# Altium PCB Board.PcbDoc (continued)
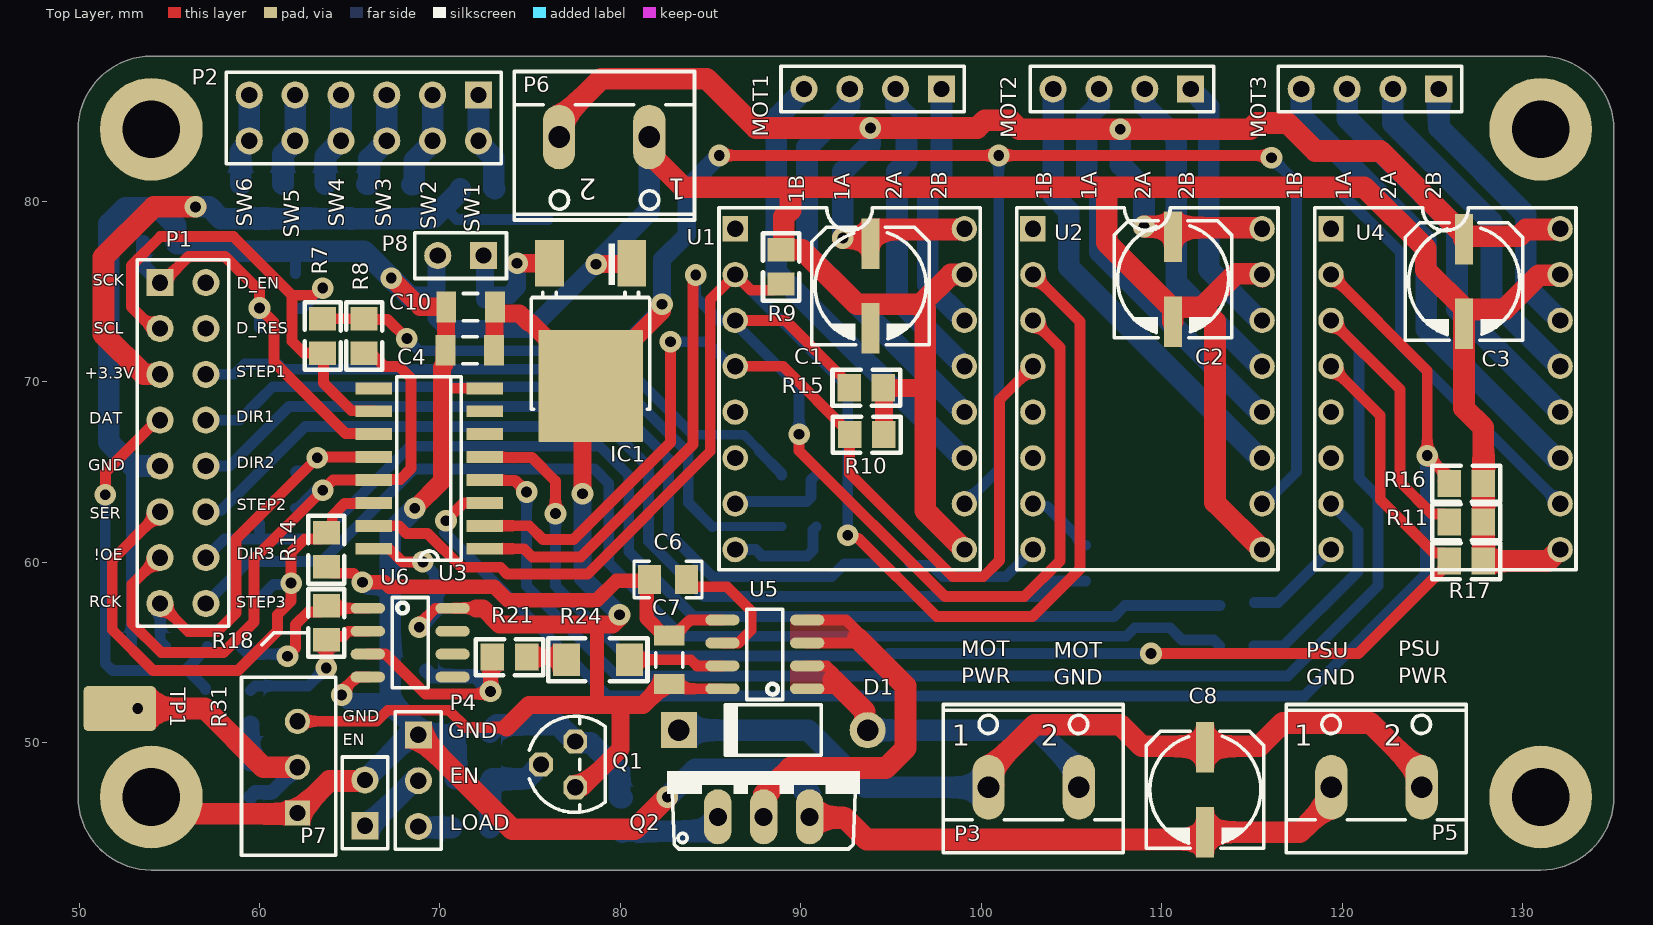
[diagram p0: Top Layer view]
## Part data (continued)
R5 R6 R25 R32 R33 R34 R35: library part Res, "Rectangular Thick Film Chip Resistor", Manufacturer=Yageo, Manufacturer_Part_Number=RC0805FR-071KL, CHIPIDIP-code=9000079486, ComponentLink1Description="Manufacturer Link", ComponentLink1URL=http://www.panasonic.com/industrial/components/resistive_products.htm, ComponentLink2Description=Datasheet, ComponentLink2URL=http://www.panasonic.com/industrial/components/pdf/AOA0000CE8.pdf, Note="If flow soldering, adjust pad width of PCB Footprint to 0.7 - 0.8 times the width of the resistor.", Part_Type=Resistor
R18 R23: library part Res, "Rectangular Thick Film Chip Resistor", Manufacturer=Yageo, Manufacturer_Part_Number=RC0805FR-07100KL, CHIPIDIP-code=9000079538, ComponentLink1Description="Manufacturer Link", ComponentLink1URL=http://www.panasonic.com/industrial/components/resistive_products.htm, ComponentLink2Description=Datasheet, ComponentLink2URL=http://www.panasonic.com/industrial/components/pdf/AOA0000CE8.pdf, Note="If flow soldering, adjust pad width of PCB Footprint to 0.7 - 0.8 times the width of the resistor.", Part_Type=Resistor
R19: library part Res, "Rectangular Thick Film Chip Resistor", Manufacturer=Yageo, Manufacturer_Part_Number=RC0805FR-07470RL, CHIPIDIP-code=9000079478, ComponentLink1Description="Manufacturer Link", ComponentLink1URL=http://www.panasonic.com/industrial/components/resistive_products.htm, ComponentLink2Description=Datasheet, ComponentLink2URL=http://www.panasonic.com/industrial/components/pdf/AOA0000CE8.pdf, Note="If flow soldering, adjust pad width of PCB Footprint to 0.7 - 0.8 times the width of the resistor.", Part_Type=Resistor
R20 R21: library part Res, "Rectangular Thick Film Chip Resistor", Manufacturer=Yageo, Manufacturer_Part_Number=RC0805FR-0730KL, CHIPIDIP-code=9000079525, ComponentLink1Description="Manufacturer Link", ComponentLink1URL=http://www.panasonic.com/industrial/components/resistive_products.htm, ComponentLink2Description=Datasheet, ComponentLink2URL=http://www.panasonic.com/industrial/components/pdf/AOA0000CE8.pdf, Note="If flow soldering, adjust pad width of PCB Footprint to 0.7 - 0.8 times the width of the resistor.", Part_Type=Resistor
R22 R26: library part Res, "Rectangular Thick Film Chip Resistor", Manufacturer=Yageo, Manufacturer_Part_Number=RC0805FR-07100RL, CHIPIDIP-code=9000079462, ComponentLink1Description="Manufacturer Link", ComponentLink1URL=http://www.panasonic.com/industrial/components/resistive_products.htm, ComponentLink2Description=Datasheet, ComponentLink2URL=http://www.panasonic.com/industrial/components/pdf/AOA0000CE8.pdf, Note="If flow soldering, adjust pad width of PCB Footprint to 0.7 - 0.8 times the width of the resistor.", Part_Type=Resistor
R24: library part Res, "Rectangular Thick Film Chip Resistor", Manufacturer=Yageo, Manufacturer_Part_Number=RC1206FR-07470RL, CHIPIDIP-code=9000079907, ComponentLink1Description="Manufacturer Link", ComponentLink1URL=http://www.panasonic.com/industrial/components/resistive_products.htm, ComponentLink2Description=Datasheet, ComponentLink2URL=http://www.panasonic.com/industrial/components/pdf/AOA0000CE8.pdf, Note="If flow soldering, adjust pad width of PCB Footprint to 0.7 - 0.8 times the width of the resistor.", Part_Type=Resistor
R28: library part Res, "Rectangular Thick Film Chip Resistor", Manufacturer=Yageo, Manufacturer_Part_Number=RC0805FR-07220RL, CHIPIDIP-code=9000079470, ComponentLink1Description="Manufacturer Link", ComponentLink1URL=http://www.panasonic.com/industrial/components/resistive_products.htm, ComponentLink2Description=Datasheet, ComponentLink2URL=http://www.panasonic.com/industrial/components/pdf/AOA0000CE8.pdf, Note="If flow soldering, adjust pad width of PCB Footprint to 0.7 - 0.8 times the width of the resistor.", Part_Type=Resistor
R31: library part RPot, "Potentiometer", Manufacturer=Bourns, Manufacturer_Part_Number=3296W-1-102LF, CHIPIDIP-code=4464, Part_Type=Potentiometer, Set Position=0.5
TP1: "Test Point", Manufacturer=n/a, ComponentLink1Description=Datasheet, ComponentLink1URL=http://na, Manufacturer_Part_Number=n/a, Part_Type=Mechanical, Status=Released
TP3 TP4 TP5 TP7 TP8 TP9 TP10 TP11 TP12 TP13 TP14 TP15 TP16 TP17: library part "Test Point", "Test Point", Manufacturer=n/a, ComponentLink1Description=Datasheet, ComponentLink1URL=http://na, Manufacturer_Part_Number=n/a, Part_Type=Mechanical, Status=Released
U1 U2 U4: "Stepper motor driver", Manufacturer=China, Manufacturer_Part_Number="LV7829 Module", CHIPIDIP-code=none, Component_Link=https://aliexpress.ru/item/32881945086.html?_ga=2.148448563.506267163.1640105170-654681520.1604340042&_gac=1.114864501.1639346332.Cj0KCQiA2NaNBhDvARIsAEw55hg0RpnmDiEVLwfBwV1DBwQRRzTZISLV43c0hEMg0tSMQHOqo776kiQaArGpEALw_wcB&sku_id=65626866361&spm=a2g39.orderlist.0.0.68c74aa6SGBVzg, ComponentLink1Description=Datasheet, ComponentLink1URL=http://tunmcdsvn.tun.st.com/Component_Datasheet_Library/Trunk/Diodes/STM_ESD_ESDA6V1BC6, Part_Type=Driver
U3: "8-bit shift register with 3-state output register", Manufacturer=TI, Manufacturer_Part_Number=SN74HC595D, CHIPIDIP-code=37776, ComponentLink1Description=Datasheet, ComponentLink1URL=http://tunmcdsvn.tun.st.com/Component_Datasheet_Library/Trunk/Diodes/STM_ESD_ESDA6V1BC6, Part_Type="Shift register"
U5: "Hall-Effect-Based Linear Current Sensor +-5A", Manufacturer=Allegro, Manufacturer_Part_Number=ACS712ELCTR-05B, CHIPIDIP-code=9000043254, ComponentLink1Description=Datasheet, ComponentLink1URL=http://tunmcdsvn.tun.st.com/Component_Datasheet_Library/Trunk/Diodes/STM_ESD_ESDA6V1BC6, Part_Type=Sensor
U6: library part "Op Amp", "FET Operational Amplifier", Manufacturer=TI, Manufacturer_Part_Number=LM358M/NOPB, CHIPIDIP-code=39253, ComponentLink1Description="Manufacturer Link", ComponentLink1URL=http://www.analog.com/, Part_Type=OpAmp

## Free pads (board coordinates)
  round 5.7 hole 3.2: 1(54,84) 2(131,84) 3(131,47) 4(54,47)

## Via types
v1: diameter 1.2, hole 0.6, Top Layer to Bottom Layer, tented both sides, 39 vias

## Nets (pads, with @x,y where several pads share a name; then routed paths per layer and width w, separated by ;. In a path a pad name is that pad's centre, name@x,y a point inside that pad or via, vN(x,y) a via of type N, cw(c..) or ccw(c..) an arc to the next point about the centre after c; other vN are vias at no path point)
1-1A: MOT1.3 U1.12 | length 22.5
  Bottom Layer w1.2: MOT1.3 92.71,85.36 90.34,82.99 90.34,77.035 99.049,68.326 U1.12
1-1B: MOT1.4 U1.11 | length 25.6
  Top Layer w1.2: MOT1.4@90.113,86.29 MOT1.4
  Bottom Layer w1.2: MOT1.4 90.17,86.152 88.64,84.622 88.64,76.079 98.933,65.786 U1.11
1-2A: MOT1.2 U1.13 | length 17.4
  Bottom Layer w1.2: MOT1.2 95.25,85.35 95.85,84.75 95.85,82.193 95.328,81.671 95.328,74.587 99.049,70.866 U1.13
1-2B: MOT1.1 U1.14 | length 13.4
  Bottom Layer w1.2: MOT1.1@97.79,85.598 97.79,81.153 97.028,80.391 97.028,75.427 99.049,73.406 U1.14
2-1A: MOT2.3 U2.12 | length 22.2
  Bottom Layer w1.2: MOT2.3 106.52,85.32 105.85,84.65 105.85,81.2 106.577,80.473 106.577,77.18 115.49,68.267 U2.12@115.502,68.267
2-1B: MOT2.4 U2.11 | length 25.3
  Bottom Layer w1.2: MOT2.4 103.98,80.33 104.85,79.46 104.85,76.368 115.49,65.727 U2.11@115.502,65.727
2-2A: MOT2.2 U2.13 | length 18.1
  Bottom Layer w1.2: MOT2.2 109.06,85.29 110.8,83.55 110.8,75.498 115.49,70.807 U2.13@115.502,70.807
2-2B: MOT2.1 U2.14 | length 14.5
  Bottom Layer w1.2: MOT2.1 112.6,85.233 112.6,76.238 115.49,73.347 U2.14@115.502,73.347
3-1A: MOT3.3 U4.12 | length 22.8
  Bottom Layer w1.2: MOT3.3 120.269,84.591 126.365,78.495 126.365,74.038 130.273,70.13 130.273,70.119 131.33,69.062 131.341,69.062 U4.12
3-1B: MOT3.4 U4.11 | length 26.5
  Bottom Layer w1.2: MOT3.4 117.729,84.727 124.665,77.791 124.665,72.936 131.815,65.786 U4.11
3-2A: MOT3.2 U4.13 | length 19.2
  Bottom Layer w1.2: MOT3.2 122.809,84.341 128.27,78.88 128.27,74.63 U4.13@132.056,70.844
3-2B: MOT3.1 U4.14 | length 15.6
  Bottom Layer w1.2: MOT3.1 125.349,84.101 130.175,79.275 130.175,75.308 130.273,75.21 130.273,75.199 131.33,74.142 131.341,74.142 U4.14
!OE: P1.13 R8.2 TP11.1 U3.13 | length 36.8
  Top Layer w0.6: P1.13@54.447,60.297 52.933,58.783 52.933,56.617 54.55,55 58,55 59.7,56.7 59.7,60.2 v1(63.5,64) 64.065,64.565 U3.13 66.357,64.595 67.795,64.595 68.4,65.2 68.4,70.2 67.744,70.856 66.918,70.856 66.174,71.6 R8.2
  Bottom Layer w0.6: TP11.1 62.108,63 63.032,63.923 63.423,63.923 v1(63.5,64)
+3.3: P1.5 R1.1 R2.1 R3.1 R4.1 R29.1 R30.1 TP14.1 | length 36.3
  Top Layer w1.2: P1.5 53.58,70.42 51.35,72.65 51.35,76.9 54.15,79.7 v1(56.45,79.7)
  Bottom Layer w0.6: 70.225,79.7 70.925,79 TP14.1
  Bottom Layer w1.2: v1(56.45,79.7) 57.2,79.7 57.85,79.05 R30.1 R29.1 R1.1 R2.1 65.963,79.038 68.412,79.038 R3.1 68.475,79.075 69.6,79.075 70.225,79.7 71.125,80.6 R4.1
+5: C4.2 C5.1 C7.2 C10.2 IC1.4 Q1.1 R7.1 R8.1 R31.3 U1.10 U2.10 U3.16 U4.10 U5.8 U6.8 | length 211.8
  Top Layer w0.6: R31.3 66.49,51.19 67.1,51.8 70.488,51.8 71.438,50.85 73.675,50.85 ; R7.1 R8.1 65.836,73.464 67.099,73.464 v1(68.163,72.4) ; U3.16 67.19,60.755 67.92,60.025 v1(69.05,60.025) ; v1(68.85,56.4) 68.85,56.562 69.743,57.455 U6.8 72,57.455 ; C7.2 82.955,52.995 U5.8 ; v1(85.471,82.55) v1(100.965,82.55) 115.951,82.55 v1(116.078,82.423)
  Top Layer w0.8: 78.7,52.1 78.7,56.55
  Top Layer w1: 72,57.455 72.395,57.455 73.3,56.55 78.7,56.55 79.55,56.55 v1@80,57 ; C4.2 73.025,71.775 73.025,74.125 C10.2 73.05,73.85 73.1,73.8 74.397,73.8 74.897,73.3 75.025,73.3 IC1.4@78.35,69.975 ; 73.675,50.85 74.925,52.1 78.7,52.1 80,52.1 ; Q1.1 77.88,47.53 80,49.65 80,52.1 ; v1(77.9,63.8) 77.9,68.936 78.35,69.386 IC1.4 IC1.4@78.35,69.975 ; v1(82.3,74.3) 82.3,73.925 IC1.4@78.35,69.975 ; C7.2 82.4,53.25 81.25,52.1 80,52.1
  Bottom Layer w0.6: v1(68.163,72.4) 68.838,71.725 79.725,71.725 v1(82.3,74.3) ; v1(69.05,60.025) 69.7,59.375 69.7,58.65 C5.1 ; U1.10 100.965,65.151 v1(100.965,82.55) ; U2.10@115.57,63.119 117.475,65.024 117.475,81.026 ; v1(116.078,82.423) 117.475,81.026 ; U4.10@132.207,62.865 132.207,63.093 123.222,72.078 123.222,77.18 119.376,81.026 117.475,81.026
  Bottom Layer w0.8: v1(68.85,56.4) 69.8,57.35 69.8,58.25 C5.1
  Bottom Layer w1: v1(77.9,63.8) 77.9,59.15 v1(79.95,57.1) ; v1(82.3,74.3) 82.3,76.775 83.675,78.15 83.675,80.754 v1(85.471,82.55)
+12: C1.1 C2.1 C3.1 P6.2 U1.16 U2.16 U4.16 | length 88
  Top Layer w1.2: P6.2 76.6,84.465 78.935,86.8 84.771,86.8 87.497,84.074 v1(93.853,84.074) 99.774,84.074 100.2,84.5 101.6,84.5 102.1,84 v1(107.7,84) 114.9,84 115.25,84.35 116.95,84.35 118.5,82.8 122.096,82.8 126.746,78.15 C3.1 ; v1(92.329,77.978) C1.1@93.75,77.978 ; C1.1@93.953,78.446 99.02,78.446 U1.16 ; v1(109.015,78.613) 109.028,78.6 110.517,78.6 110.617,78.5 110.617,78.219 110.948,78.55 U2.16@115.379,78.55 ; C3.1@126.846,78.015 126.846,78.065 129.8,78.065 130.181,78.446 132.037,78.446 U4.16
  Bottom Layer w1.2: v1(92.329,77.978) 92.329,81.661 93.853,83.185 v1(93.853,84.074) ; v1(107.7,84) 107.7,82.05 109.015,80.735 v1(109.015,78.613)
CurrentData: P1.7 R22.2 TP12.1 | length 22.8
  Top Layer w0.6: v1@51.462,63.75 51.462,65.012 P1.7@54.406,67.957
  Bottom Layer w0.6: v1(51.45,63.75) 51.45,54.4 51.85,54 55.85,54 55.947,54.097 ; TP12.1@57,52.95 TP12.1 57,53.044 55.947,54.097 ; R22.2 57.1,55.25 55.947,54.097
DIR1: P1.8 R5.2 TP3.1 | length 37.5
  Bottom Layer w0.5: 85.091,61.975 R5.2
  Bottom Layer w0.6: P1.8 58.88,67.88 TP3.1 60.735,69.735 80.08,69.735 83.756,66.059 83.756,63.31 85.091,61.975
DIR2: P1.10 R34.2 TP8.1 | length 45.1
  Bottom Layer w0.6: P1.10 58.34,65.34 TP8.1 61.635,68.635 79.761,68.635 82.656,65.74 82.656,61.644 85.098,59.202 91.702,59.202 92.425,59.925 R34.2
DIR3: P1.14 R35.2 TP9.1 | length 66.2
  Bottom Layer w0.6: P1.14 58.063,61.3 60,61.3 ; TP9.1 60,61.3 ; R35.2@113.225,57.6 107.95,57.6 107.352,57.002 84.048,57.002 80.456,60.594 80.456,64.829 78.85,66.435 68.335,66.435 63.2,61.3 60,61.3
DRV_EN: P1.2
DRV_RES: P1.4
GND: C1.2 C2.2 C3.2 C4.1 C5.2 C6.1 C7.1 C8.2 C9.1 C10.1 IC1.1 P1.9 P4.1 P5.1 P6.1 P7.2 P8.2 pad.4 Q2.3 R9.2 R10.2 R11.2 R12.2 R13.2 R14.2 R15.2 R16.2 R17.2 R23.2 R27.2 R28.2 R31.1 TP10.1 U1.9 U1.15 U2.9 U2.15 U3.8 U4.9 U4.15 U5.5 U6.4 | length 356.9
  Top Layer w0.6: R14.2 64.05,59.4 65.2,59.4 v1(65.7,58.9) ; v1(64.549,52.65) 64.465,52.65 64.41,52.705 65.35,53.645 U6.4 ; 70.1,69.735 70.19,69.645 U3.8 ; C7.1@82.4,55.95 C7.1 83,55.95 83.855,56.805 U5.5 ; 97.2,62.3 97.2,62.566
  Top Layer w0.8: v1(65.7,58.9) 66.95,58.9 67.2,58.65 71.498,58.65 71.503,58.655 73.008,58.655 73.763,57.9 78.696,57.9 79.783,58.987 C6.1@81.555,58.987 ; C6.1 C6.1@81.555,58.987 ; C7.1@82.4,55.95 81.45,56.9 81.45,58.882 C6.1@81.555,58.987
  Top Layer w1: pad.4 55.272,47 pad.4@56.212,46.06 ; v1(67.3,75.75) 68.886,74.164 70.336,74.164 C10.1 70.325,74.125 70.325,71.775 C4.1 70.25,71.7 70.25,70.978 70.1,70.828 70.1,69.735 70.1,64.5 v1(68.6,63) ; v1(78.65,76.525) 80.58,76.525 IC1.1 ; 89.425,80.721 89.5,80.796 ; R10.2 94.6,69.65 R15.2 96.9,69.675
  Top Layer w1.2: pad.4@56.212,46.06 62.05,46.06 R31.1 63.875,47.885 65.785,47.885 P7.2 ; P4.1@68.78,50.42 74,45.2 80.8,45.2 v1(82.6,47) ; P6.1 81.6,82.675 83.479,80.796 89.5,80.796 121.229,80.796 124.625,77.4 124.625,76.197 126.807,74.015 129.006,74.015 130.897,75.906 132.037,75.906 U4.15 ; R9.2 R9.2@89,77.325 ; 89.425,80.721 89.425,79.521 89.05,79.146 89.05,77.375 R9.2@89,77.325 ; Q2.3 90.53,45.85 92.439,45.85 93.65,44.639 112.3,44.639 112.4,44.739 C8.2 117.655,45.05 119.4,46.794 P5.1 ; 96.9,74.05 96.9,69.675 96.9,62.866 97.2,62.566 U1.9 ; U1.15@98.8,75.95 98.308,75.95 96.654,74.296 93.09,74.296 90.061,77.325 R9.2@89,77.325 ; U1.15@99.02,75.906 U1.15 ; 106.95,80.725 106.95,77.709 C2.2@110.617,74.042 ; C2.2 C2.2@110.617,74.042 ; U2.15@115.389,76 114.1,76 112.242,74.142 112.156,74.142 ; U2.9 112.95,63.316 112.95,73.348 112.156,74.142 ; U2.15 115.57,75.936 U2.15@115.57,75.819 ; C3.2@126.746,73.915 C3.2 126.746,68.554 127.823,67.477 R16.2 R11.2 R17.2 131.386,60.071 132.021,60.706 U4.9 ; C2.2@110.617,74.042 110.717,74.142 112.156,74.142
  Bottom Layer w0.6: R12.2 52.9,65.34 ; TP10.1 62,77.075 ; 67.055,52.65 67.105,52.6 67.25,52.745
  Bottom Layer w1: 62,77.075 62.175,77.25 ; v1(64.549,52.65) 64.603,52.65 65.003,52.25 67.25,52.25 ; v1(65.7,58.9) 65.754,58.9 65.948,58.706 67.2,58.706 67.25,58.656 C5.2 ; P8.2 69.8,76.925 C9.1 69.8,73.575 70.45,72.925 75.05,72.925 v1(78.65,76.525)
  Bottom Layer w1.2: P1.9 52.96,65.34 51.65,66.65 51.65,78.75 52.55,79.65 54.375,79.65 55.35,78.675 55.35,77.85 R13.2 55.4,77.7 55.45,77.65 56.8,77.65 57.2,77.25 62.175,77.25 65.8,77.25 v1(67.3,75.75) 68.365,74.685 C9.1@69.75,74.685 ; P7.2 68.19,50.29 68.65,50.29 P4.1 70.69,50.44 R28.2 R27.2 ; C5.2 R23.2@67.25,54 ; C5.2@67.25,58.656 67.25,61.65 v1(68.6,63) ; R23.2 R23.2@67.25,54 ; P4.1@68.8,50.59 68.8,50.7 67.25,52.25 67.25,52.745 R23.2@67.25,54 ; v1(78.65,76.525) 81.6,79.475 P6.1 ; v1(82.6,47) 82.619,47 84.143,48.524 89.176,48.524 90.48,47.22 Q2.3
IP+: D1.1 P3.2 U5.1 U5.2 | length 20.3
  Top Layer w0.6: U5.1 91.905,52.995 ; U5.2 91.435,54.265 91.829,53.871
  Top Layer w1.2: 91.8,53.5 93.547,51.753 93.547,50.853 D1.1
  Bottom Layer w1.2: D1.1 103.125,50.7 105.4,48.425 P3.2
IP-: Q2.2 U5.3 U5.4 | length 23.6
  Top Layer w0.6: U5.3 93.135,55.535 93.145,55.545 93.145,55.8 ; U5.4 92.495,56.805 93.25,56.05
  Top Layer w1.2: Q2.2 87.94,47.14 89.4,48.6 94.7,48.6 95.8,49.7 95.8,53.145 93.145,55.8
NetC6_2: C6.2 U5.6 | length 7.3
  Top Layer w0.6: C6.2 84.05,58.65 85.9,58.65 87.25,57.3 87.25,56.25 86.535,55.535 U5.6
NetP2_1: P2.1 P2.2 R4.2 | length 5.6
  Bottom Layer w1.2: P2.1 72.13,83.279 72.975,82.434 72.975,80.75 R4.2
NetP2_3: P2.3 P2.4 R3.2 | length 5.5
  Bottom Layer w1.2: R3.2 68.525,80.925 68.575,80.975 68.575,82.264 69.59,83.279 P2.3
NetP2_5: P2.5 P2.6 R2.2 | length 5.4
  Bottom Layer w1.2: R2.2 66.018,80.95 66.068,81 66.068,82.378 P2.6 P2.5
NetP2_7: P2.7 P2.8 R1.2 | length 5.3
  Bottom Layer w1.2: R1.2 63.65,82.5 P2.8 P2.7
NetP2_9: P2.9 P2.10 R29.2 | length 5.2
  Bottom Layer w1.2: R29.2 61.3,82.609 61.97,83.279 P2.10 P2.9
NetP2_11: P2.11 P2.12 R30.2 | length 4.4
  Bottom Layer w1.2: R30.2 P2.12@58.95,82.799 ; P2.12 P2.11
NetP4_2: P4.2 P7.1 | length 3.9
  Bottom Layer w1.2: P7.1 66.053,45.403 P4.2@68.675,48.025
NetP4_3: P4.3 R25.2 | length 1.9
  Bottom Layer w1.2: P4.3 68.857,45.303 R25.2@70.647,45.303
NetQ1_2: Q1.2 R25.1 R27.1 | length 5.8
  Bottom Layer w1.2: R25.1 72.8,45.35 72.8,47.85 72.85,47.9 72.85,47.95 72.9,48 74.795,48 Q1.2
NetQ1_3: Q1.3 R26.2 R28.1 | length 10
  Bottom Layer w1.2: R28.1 73.15,51 76.57,51 Q1.3 77.56,50.01 78.34,50.01 79.95,48.4 79.95,47 80,46.95 R26.2
NetQ2_1: Q2.1 R26.1 | length 6
  Bottom Layer w1.2: R26.1 80.15,45.1 85.25,45.1 85.4,45.25 Q2.1
NetR5_1: R5.1 U1.8 | length 6
  Bottom Layer w0.6: U1.8 87.494,60.706 87.85,60.35 90.35,60.35 90.676,60.676 90.676,61.801 R5.1
NetR6_1: R6.1 U4.7 | length 11.9
  Bottom Layer w0.6: R6.1 116.75,55.375 120.875,59.5 120.875,61.748 U4.7
NetR9_1: R9.1 U1.2 U2.2 U3.15 | length 86.1
  Top Layer w0.6: U3.15 67.725,62.025 68.15,61.6 69.315,61.6 71.19,59.725 73.352,59.725 73.716,59.362 78.183,59.362 84.978,66.157 84.978,74.564 U1.2 87.231,75.075 88.45,75.075 88.8,75.425 R9.1 ; 93.2,61.328 97.526,57.002 102.839,57.002 105.464,59.627 105.464,73.342 U2.2
  Bottom Layer w0.6: U1.2@85.981,75.875 86.206,76.1 U1.2 92.6,69.706 v1(92.6,61.5)
NetR10_1: R10.1 U1.4 U2.4 U3.2 | length 55.3
  Top Layer w0.6: U3.2 74.945,62.025 75.705,61.265 77.394,61.265 82.775,66.646 v1(82.775,72.225) ; U1.4 89.009,70.866 92.7,67.175 92.7,64.939 98.437,59.202 100.102,59.202 101,60.1 101,69.006 U2.4
  Bottom Layer w0.6: v1(82.775,72.225) 84.775,72.225 86.134,70.866 U1.4
NetR11_1: R11.1 U3.4 U4.3 | length 89.1
  Top Layer w0.6: U3.4 72.504,64.535 74.165,64.535 v1(74.8,63.9) ; U4.3 123.211,69.572 123.211,64.443 124.974,62.68 125.573,62.68 125.923,62.33 R11.1
  Bottom Layer w0.6: v1(74.8,63.9) 74.8,58.7 79.798,53.702 116.977,53.702 121.981,58.706 121.981,63.619 120.925,64.675 120.925,71.858 119.386,73.397 U4.3@119.386,73.414
NetR15_1: R15.1 U1.3 U2.3 U3.1 | length 77
  Top Layer w0.6: U3.1 74.66,60.755 75.115,60.3 77.8,60.3 84.025,66.525 84.025,75.775 v1(84.175,75.925) ; U1.3 89.144,73.406 92.565,69.985 92.565,69.785 R15.1 ; v1(89.9,67.1) 89.9,66.183 97.981,58.102 102.383,58.102 104.364,60.083 104.364,71.902 U2.3
  Bottom Layer w0.6: v1(84.175,75.925) 84.175,74.7 85.469,73.406 U1.3 86.36,73.244 89.9,69.704 v1(89.9,67.1)
NetR16_1: R16.1 U3.3 U4.2 | length 85.2
  Top Layer w0.6: v1(70.328,62.303) 71.311,63.286 72.464,63.286 U3.3 ; U4.2 124.714,70.609 v1(124.714,65.913) 125.923,64.704 R16.1 R16.1@125.923,64.262
  Bottom Layer w0.6: v1(70.328,62.303) 70.328,61.728 70.25,61.65 79.298,52.602 117.902,52.602 124.622,59.322 124.622,65.821 v1(124.714,65.913)
NetR17_1: R17.1 U3.5 U4.4 | length 77.5
  Top Layer w0.6: U3.5 72.504,65.805 75.095,65.805 76.4,64.5 v1(76.4,62.7) ; v1(109.4,54.95) 120.902,54.95 125.923,59.971 R17.1 125.923,60.171 125.573,60.521 125.079,60.521 122.111,63.489 122.111,68.132 U4.4
  Bottom Layer w0.6: v1(76.4,62.7) 76.4,58.7 80.298,54.802 94.694,54.802 94.842,54.95 v1(109.4,54.95)
NetR18_1: R18.1 R20.1 U6.2 | length 9.1
  Top Layer w0.6: v1(63.7,54.15) 63.488,54.15 63.7,54.362 R18.1 63.8,55.7 64,55.9 64.65,55.9 64.935,56.185 U6.2
  Bottom Layer w0.6: R20.1 59.75,53.15 62.7,53.15 v1(63.7,54.15)
NetR18_2: R18.2 R22.1 U6.1 | length 9.3
  Top Layer w0.6: v1(61.55,54.8) 62,55.25 62,56.55 62.7,57.25 63.35,57.25 R18.2 63.845,57.455 U6.1
  Bottom Layer w0.6: R22.1 59,55.265 59.35,54.915 61.435,54.915 v1(61.55,54.8)
NetR19_1: R19.1 R31.2 TP1.1 | length 13.5
  Top Layer w1.2: TP1.1 56.964,51.9 60.214,48.65 R31.2
  Bottom Layer w0.8: R19.1 59.75,47.25 60.7,47.25 R31.2
NetR19_2: R19.2 R20.2 | length 2.1
  Bottom Layer w1: R19.2 R20.2
NetR21_1: R21.1 R23.1 U6.3 | length 13.9
  Top Layer w0.6: U6.3 66.985,54.915 69.2,52.7 72.65,52.7 v1(72.8,52.85) ; R21.1@72.8,54.65 R21.1
  Top Layer w0.8: v1(72.8,52.85) R21.1@72.8,54.65
  Bottom Layer w0.6: v1(72.8,52.85) v1@72.8,53
  Bottom Layer w0.8: R23.1 69.55,53.7 71.94,53.7 v1@72.795,52.845
NetR21_2: R21.2 R24.2 | length 2.3
  Top Layer w0.6: R24.2@76.85,54.75 R24.2
  Top Layer w0.8: R21.2 R24.2@76.85,54.75
NetR24_1: R24.1 U5.7 | length 5.3
  Top Layer w0.6: R24.1 83.9,54.6 84.235,54.265 U5.7
NetR32_1: R32.1 U2.7 | length 3.9
  Bottom Layer w0.6: U2.7 103.015,63.091 103.634,63.091 105.325,61.4 105.325,61.3 105.675,60.95 R32.1
NetR33_1: R33.1 U1.7 | length 5.7
  Bottom Layer w0.6: U1.7 86.489,63.375 90.325,63.375 90.564,63.614 90.564,64.564 R33.1
NetR34_1: R34.1 U2.8 | length 7.7
  Bottom Layer w0.6: R34.1 96.149,59.826 97.249,59.826 97.875,59.2 101.354,59.2 U2.8
NetR35_1: R35.1 U4.8 | length 5.5
  Bottom Layer w0.6: R35.1 116.446,57.775 U4.8
RCK: P1.15 R12.1 TP15.1 U3.12 | length 22.9
  Top Layer w0.6: P1.15 56.053,56.15 57.65,56.15 58.7,57.2 58.7,61.3 v1(63.2,65.8) 63.235,65.835 U3.12
  Bottom Layer w0.6: P1.15@54.5,57.72 54.5,55.65 R12.1 ; TP15.1 62.077,65.077 62.477,65.077 v1(63.2,65.8)
SCK: P1.1 R13.1 TP13.1 U3.11 | length 22.2
  Top Layer w0.6: P1.1@54.483,75.37 56.063,76.95 58.084,76.95 60,75.034 v1(60,74.1) 60.8,73.3 60.8,71.1 64.765,67.135 66.296,67.135 U3.11
  Bottom Layer w0.6: R13.1 R13.1@53.55,77.75 ; TP13.1 v1(60,74.1)
  Bottom Layer w0.8: R13.1@53.55,77.75 53.55,76.433 P1.1
SCL: P1.3 R7.2 TP16.1 U3.10 | length 28
  Top Layer w0.6: P1.3@54.15,72.9 52.9,74.15 52.9,76.45 54.5,78.05 58.55,78.05 61.8,74.8 ; R7.2 62.45,71.6 61.8,72.25 61.8,74.8 ; v1(63.5,75.2) 63.392,75.2 62.992,74.8 61.8,74.8 ; R7.2@63.55,71.146 63.55,69.944 65.089,68.405 66.296,68.405 U3.10
  Bottom Layer w0.6: TP16.1 62.077,74.077 62.377,74.077 v1(63.5,75.2)
SER: P1.11 R14.1 TP17.1 U3.14 | length 30.8
  Top Layer w0.6: P1.11@53.991,62.292 51.833,60.133 51.833,56.267 54.1,54 58.8,54 61,56.2 61,57.1 61.75,57.85 v1(61.75,58.85) 61.75,60.55 62.5,61.3 63.35,61.3 R14.1 64.025,61.975 64.025,62.575 64.715,63.265 66.296,63.265 U3.14
  Bottom Layer w0.6: TP17.1 60.773,58.773 61.673,58.773 v1(61.75,58.85)
STEP1: P1.6 R33.2 TP7.1 | length 34.8
  Bottom Layer w0.5: 84.013,67.075 84.015,67.072 86.847,67.072 87.614,66.305 87.614,66.239 87.689,66.164
  Bottom Layer w0.6: P1.6 58.6,70.42 59.18,71 TP7.1 61,71 61.3,70.7 80.388,70.7 84.013,67.075 ; 87.689,66.164 87.689,66.161 88.925,64.925 R33.2
STEP2: P1.12 R32.2 TP4.1 | length 57.4
  Bottom Layer w0.6: P1.12 57.09,62.867 57.867,62.867 TP4.1 62.535,67.535 79.305,67.535 81.556,65.284 81.556,61.169 84.623,58.102 103.177,58.102 104.05,58.975 R32.2@105.775,58.975
STEP3: P1.16 R6.2 TP5.1 | length 66.3
  Bottom Layer w0.6: P1.16 59.353,60.05 63.45,60.05 68.575,65.175 78.554,65.175 79.356,64.373 79.356,59.969 83.423,55.902 108.027,55.902 108.5,56.375 110.45,56.375 111.125,55.7 112.875,55.7 R6.2
VCC: C8.1 D1.2 P3.1 P5.2 | length 47.5
  Top Layer w1.2: P3.1 100.4,48.45 102.96,51.01 107.69,51.01 108.9,49.8 C8.1@112.4,49.8 ; C8.1 C8.1@112.4,49.8 ; P5.2@124.45,47.45 124.45,48.2 121.55,51.1 116.7,51.1 115.4,49.8 C8.1@112.4,49.8
  Bottom Layer w1.2: D1.2 90.4,50.7 93.57,47.53 P3.1
Vin: C9.2 IC1.3 P8.1 | length 7.6
  Top Layer w1: v1(74.275,76.575) IC1.3
  Bottom Layer w1: P8.1 72.5,76.915 C9.2@72.5,74.736 ; C9.2 C9.2@72.5,74.736 ; v1(74.275,76.575) 74.275,75.25 73.811,74.786 72.55,74.786 C9.2@72.5,74.736
pads on no net: U1.1 U1.5 U1.6 U2.1 U2.5 U2.6 U3.6 U3.7 U3.9 U4.1 U4.5 U4.6 U6.5 U6.6 U6.7
copper on no net: | length 0.2
  Bottom Layer w0.6: 86.205,68.481 86.36,68.326

## Polygon pours and split planes (outlines as drawn)
no net on Top Layer "Top Layer-No Net" (solid, pour order 4): 37.7,59.55
IP- on Top Layer "11" (solid, pour order 2): 89.4,55.553 89.4,56.805 92.395,56.805 92.9,56.3 92.9,55.553
IP+ on Top Layer "IP+_L01_P000" (solid, pour order 0): 89.4,53 89.4,54.3 91.6,54.3 92.2,53.7 92.2,52.995
GND on Bottom Layer "Bottom Layer-GND" (solid, remove dead copper, pour order 6): 49.2,88.6 136.05,88.6 136.05,42.4 49.2,42.4

## Silkscreen, mask and mechanical layers (free items; w line width, h text height)
Top Overlay:
  lines w0.2: 60.125,55.425 60.8,56.1 62.7,56.1
  text "2A" at 95.9,80.1 h1.5 r90
  text "2B" at 98.4,80.1 h1.5 r90
  text "1B" at 104.2,80.1 h1.5 r90
  text "1A" at 106.7,80.1 h1.5 r90
  text "2A" at 109.7,80.1 h1.5 r90
  text "2B" at 112.1,80.1 h1.5 r90
  text "1B" at 118.1,80.1 h1.5 r90
  text "1A" at 120.8,80.1 h1.5 r90
  text "2A" at 123.3,80.1 h1.5 r90
  text "2B" at 125.8,80.1 h1.5 r90
  text "1A" at 93,80 h1.5 r90
  text "1B" at 90.5,79.9 h1.5 r90
  text "SW6" at 59.9,78.6 h1.5 r90
  text "SW4" at 65,78.6 h1.5 r90
  text "SW3" at 67.6,78.6 h1.5 r90
  text "SW2" at 70.1,78.45 h1.5 r90
  text "SW1" at 72.5,78.3 h1.5 r90
  text "SW5" at 62.5,78 h1.5 r90
  text "SCK" at 50.75,75.1 h1.1
  text "D_EN" at 58.75,74.95 h1.1
  text "SCL" at 50.8,72.45 h1.1
  text "D_RES" at 58.7,72.45 h1.1
  text "STEP1" at 58.7,70.05 h1.1
  text "+3.3V" at 50.325,69.95 h1.1
  text "DIR1" at 58.7,67.55 h1.1
  text "DAT" at 50.55,67.45 h1.1
  text "DIR2" at 58.75,65 h1.1
  text "GND" at 50.5,64.85 h1.1
  text "STEP2" at 58.725,62.675 h1.1
  text "SER" at 50.6,62.2 h1.1
  text "DIR3" at 58.75,59.95 h1.1
  text "!OE" at 50.8,59.9 h1.1
  text "RCK" at 50.55,57.3 h1.1
  text "STEP3" at 58.7,57.25 h1.1
  text "MOT / PWR" at 98.9,53 h1.5
  text "PSU / PWR" at 123.1,53 h1.5
  text "MOT / GND" at 104,52.9 h1.5
  text "PSU / GND" at 118,52.9 h1.5
  text "GND" at 64.6,50.95 h1.1
  text "GND" at 70.45,49.95 h1.5
  text "EN" at 64.6,49.65 h1.1
  text "EN" at 70.55,47.45 h1.5
  text "LOAD" at 70.55,44.85 h1.5
Bottom Overlay:
  drawing of 6 lines, arcs and shapes, not listed
  text "+12V" at 78.3,86 h1.5
  text "GND" at 83,86 h1.5
  text "DRIVER BOARD / Rev. .Revision / 12.2021" at 106.975,53.125 h1.7
  text "I" at 115.25,44.85 h12
M1-Board Shape:
  lines w0.013: 50,47 ccw(c54,47) 54,43 131,43
  lines w0.1: 50,47 ccw(c54,47) 54,43 131,43 ccw(c131,47) 135,47 135,84 ccw(c131,84) 131,88 54,88 ccw(c54,84) 50,84 50,47
M8-Bottom Info:
  lines w0.1: 53.75,47 54.25,47 54,47.25 54,46.75

## Dimensions
50,47 to 135,47 on M2-Board Dimensions
54,88 to 54,43 on M2-Board Dimensions

## Text inside footprints (layer, text, board x,y; h text height)
P1: M14-Top Assembly "2" at 56.515,78.04 h1.5 r270; M14-Top Assembly "16" at 56.515,56.196 h1.5 r270; M14-Top Assembly "1" at 53.958,77.775 h1.5 r270; M14-Top Assembly "15" at 53.975,56.196 h1.5 r270
P2: M14-Top Assembly "11" at 57.906,86.408 h1.27 r180; M14-Top Assembly "12" at 57.906,83.868 h1.27 r180; M14-Top Assembly "1" at 74.162,86.408 h1.27 r180; M14-Top Assembly "2" at 74.67,83.868 h1.27 r180
P3: Top Overlay "1" at 98.35,49.446 h2; Top Overlay "2" at 103.303,49.446 h2; M14-Top Assembly "1" at 98.368,49.435 h1.97; M14-Top Assembly "2" at 103.321,49.435 h1.97
P5: Top Overlay "2" at 122.303,49.446 h2; Top Overlay "1" at 117.35,49.446 h2; M14-Top Assembly "2" at 122.321,49.435 h1.97; M14-Top Assembly "1" at 117.368,49.435 h1.97
P6: Top Overlay "1" at 83.65,81.654 h2 r180; Top Overlay "2" at 78.697,81.654 h2 r180; M14-Top Assembly "1" at 83.632,81.665 h1.97 r180; M14-Top Assembly "2" at 78.679,81.665 h1.97 r180
U1: M14-Top Assembly "2B" at 96.186,72.737 h1.5; M14-Top Assembly "VDD" at 94.961,62.512 h1.5; M14-Top Assembly "GND" at 94.861,75.262 h1.5; M14-Top Assembly "MS2" at 87.376,72.517 h1.5; M14-Top Assembly "EN" at 87.376,77.597 h1.5; M14-Top Assembly "DIR" at 87.376,59.817 h1.5; M14-Top Assembly "SLP" at 87.376,64.897 h1.5; M14-Top Assembly "GND" at 94.911,60.012 h1.5; M14-Top Assembly "1A" at 96.111,67.787 h1.5; M14-Top Assembly "MS1" at 87.376,75.057 h1.5; M14-Top Assembly "2A" at 96.211,70.312 h1.5; M14-Top Assembly "Vmot" at 94.511,77.862 h1.5; M14-Top Assembly "RST" at 87.376,67.437 h1.5; M14-Top Assembly "MS3" at 87.376,69.977 h1.5; M14-Top Assembly "STEP" at 87.376,62.357 h1.5; M14-Top Assembly "1B" at 96.086,65.087 h1.5
U2: M14-Top Assembly "2B" at 112.686,72.737 h1.5; M14-Top Assembly "STEP" at 103.876,62.357 h1.5; M14-Top Assembly "MS1" at 103.876,75.057 h1.5; M14-Top Assembly "Vmot" at 111.011,77.862 h1.5; M14-Top Assembly "MS2" at 103.876,72.517 h1.5; M14-Top Assembly "EN" at 103.876,77.597 h1.5; M14-Top Assembly "GND" at 111.411,60.012 h1.5; M14-Top Assembly "MS3" at 103.876,69.977 h1.5; M14-Top Assembly "1A" at 112.611,67.787 h1.5; M14-Top Assembly "VDD" at 111.461,62.512 h1.5; M14-Top Assembly "2A" at 112.711,70.312 h1.5; M14-Top Assembly "RST" at 103.876,67.437 h1.5; M14-Top Assembly "1B" at 112.586,65.087 h1.5; M14-Top Assembly "SLP" at 103.876,64.897 h1.5; M14-Top Assembly "DIR" at 103.876,59.817 h1.5; M14-Top Assembly "GND" at 111.361,75.262 h1.5
U4: M14-Top Assembly "2B" at 129.203,72.737 h1.5; M14-Top Assembly "Vmot" at 127.528,77.862 h1.5; M14-Top Assembly "2A" at 129.228,70.312 h1.5; M14-Top Assembly "MS2" at 120.393,72.517 h1.5; M14-Top Assembly "MS3" at 120.393,69.977 h1.5; M14-Top Assembly "GND" at 127.928,60.012 h1.5; M14-Top Assembly "SLP" at 120.393,64.897 h1.5; M14-Top Assembly "1A" at 129.128,67.787 h1.5; M14-Top Assembly "DIR" at 120.393,59.817 h1.5; M14-Top Assembly "EN" at 120.393,77.597 h1.5; M14-Top Assembly "1B" at 129.103,65.087 h1.5; M14-Top Assembly "RST" at 120.393,67.437 h1.5; M14-Top Assembly "VDD" at 127.978,62.512 h1.5; M14-Top Assembly "GND" at 127.878,75.262 h1.5; M14-Top Assembly "STEP" at 120.393,62.357 h1.5; M14-Top Assembly "MS1" at 120.393,75.057 h1.5